# Altium PCB MODULE_4x100_RJ45_V1.0.PcbDoc (part 1 of 2) (continued)
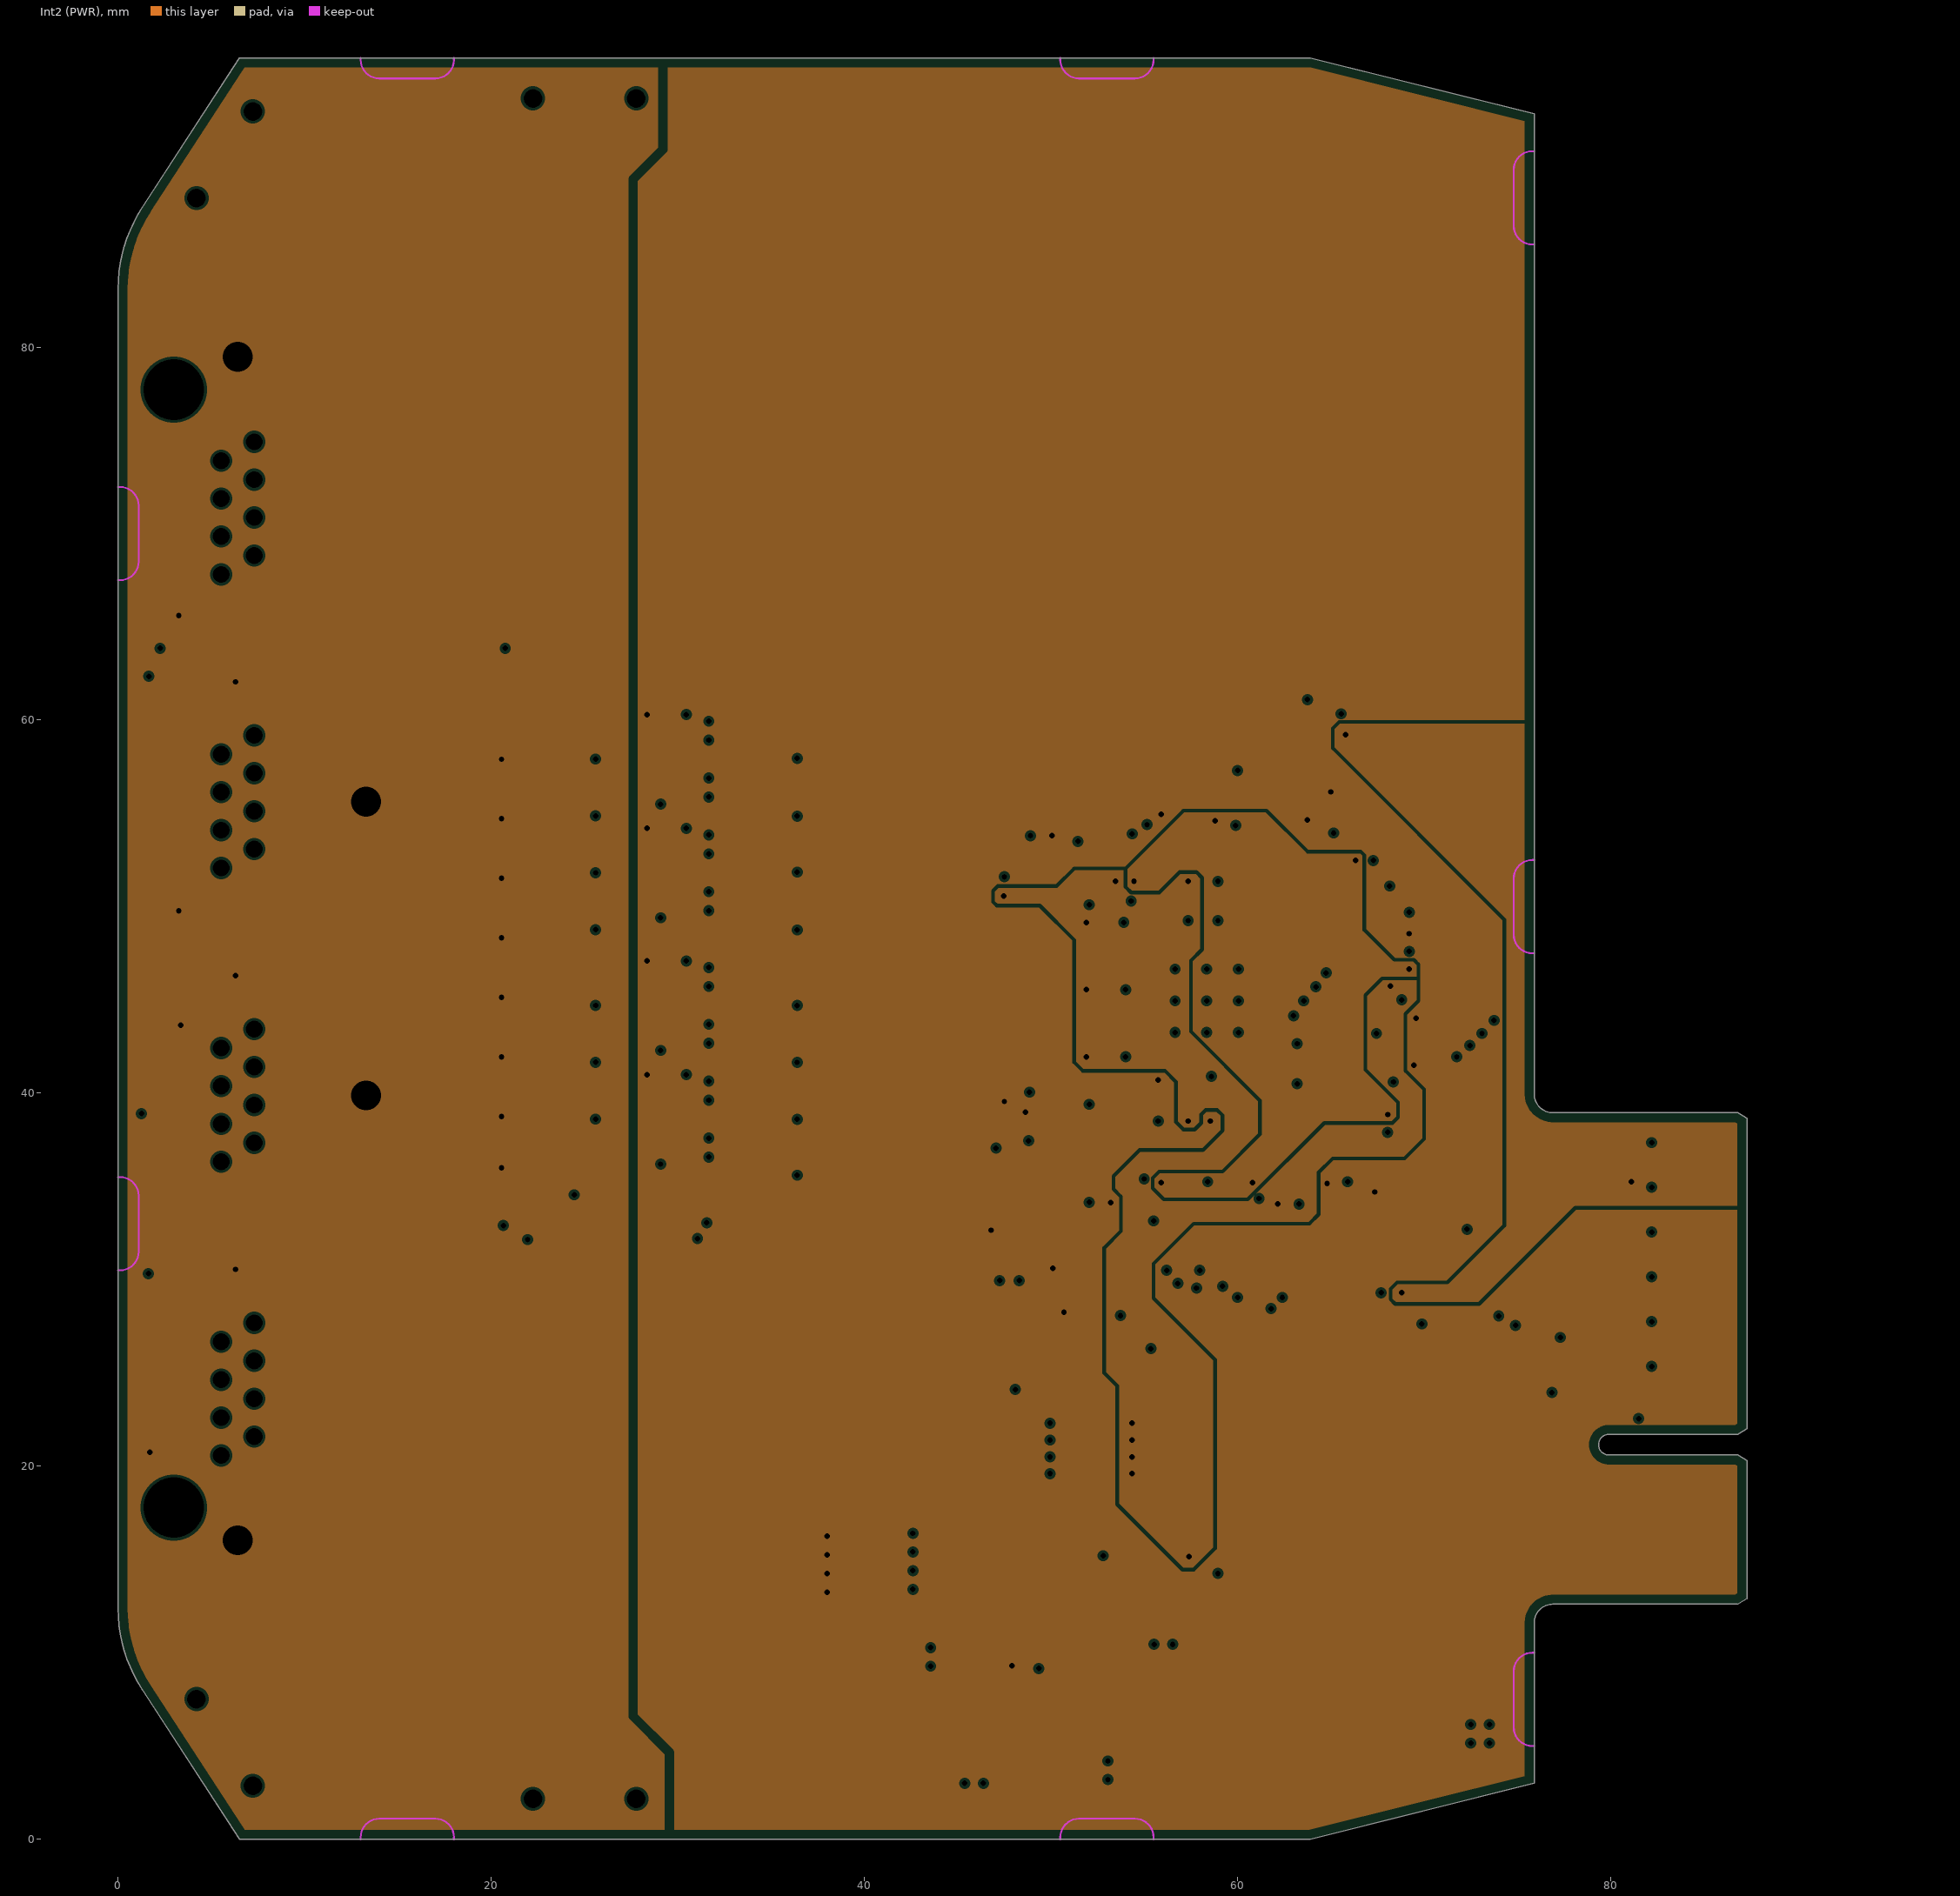
[diagram p3: Int2 (PWR), clearances drawn from the general rule]
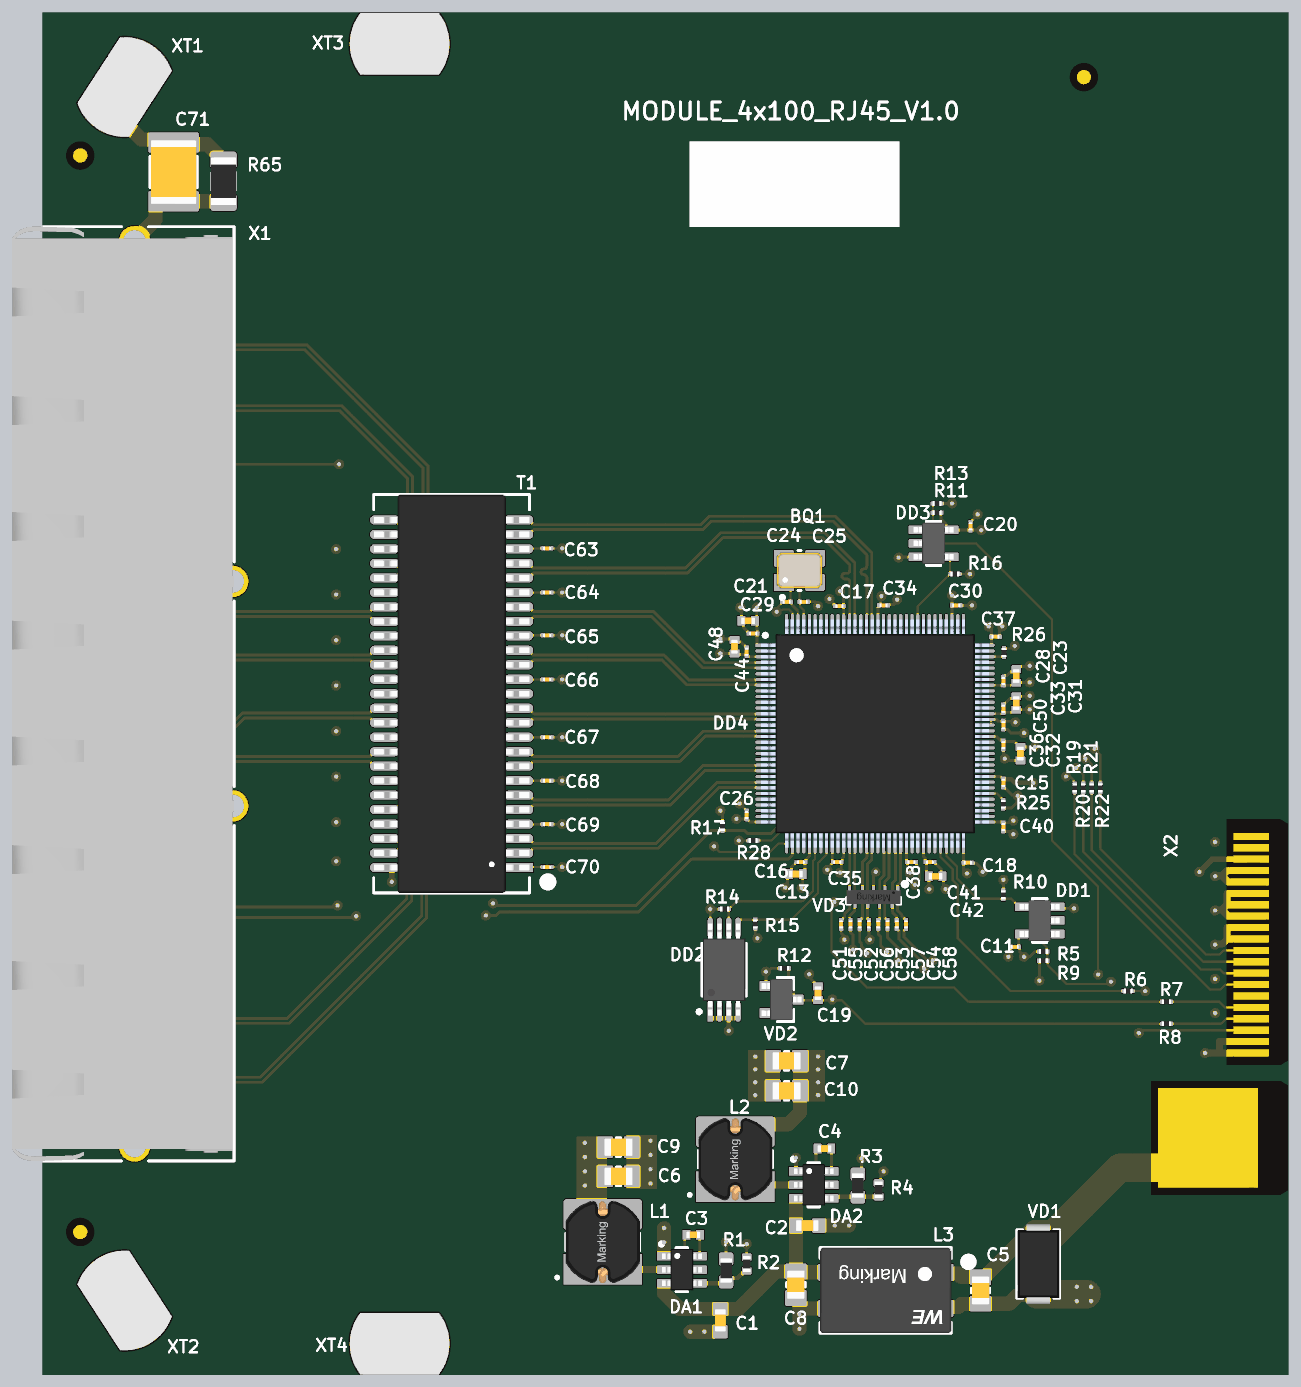
[diagram p5: 3D render of the assembled board from above, using the file's embedded part models]
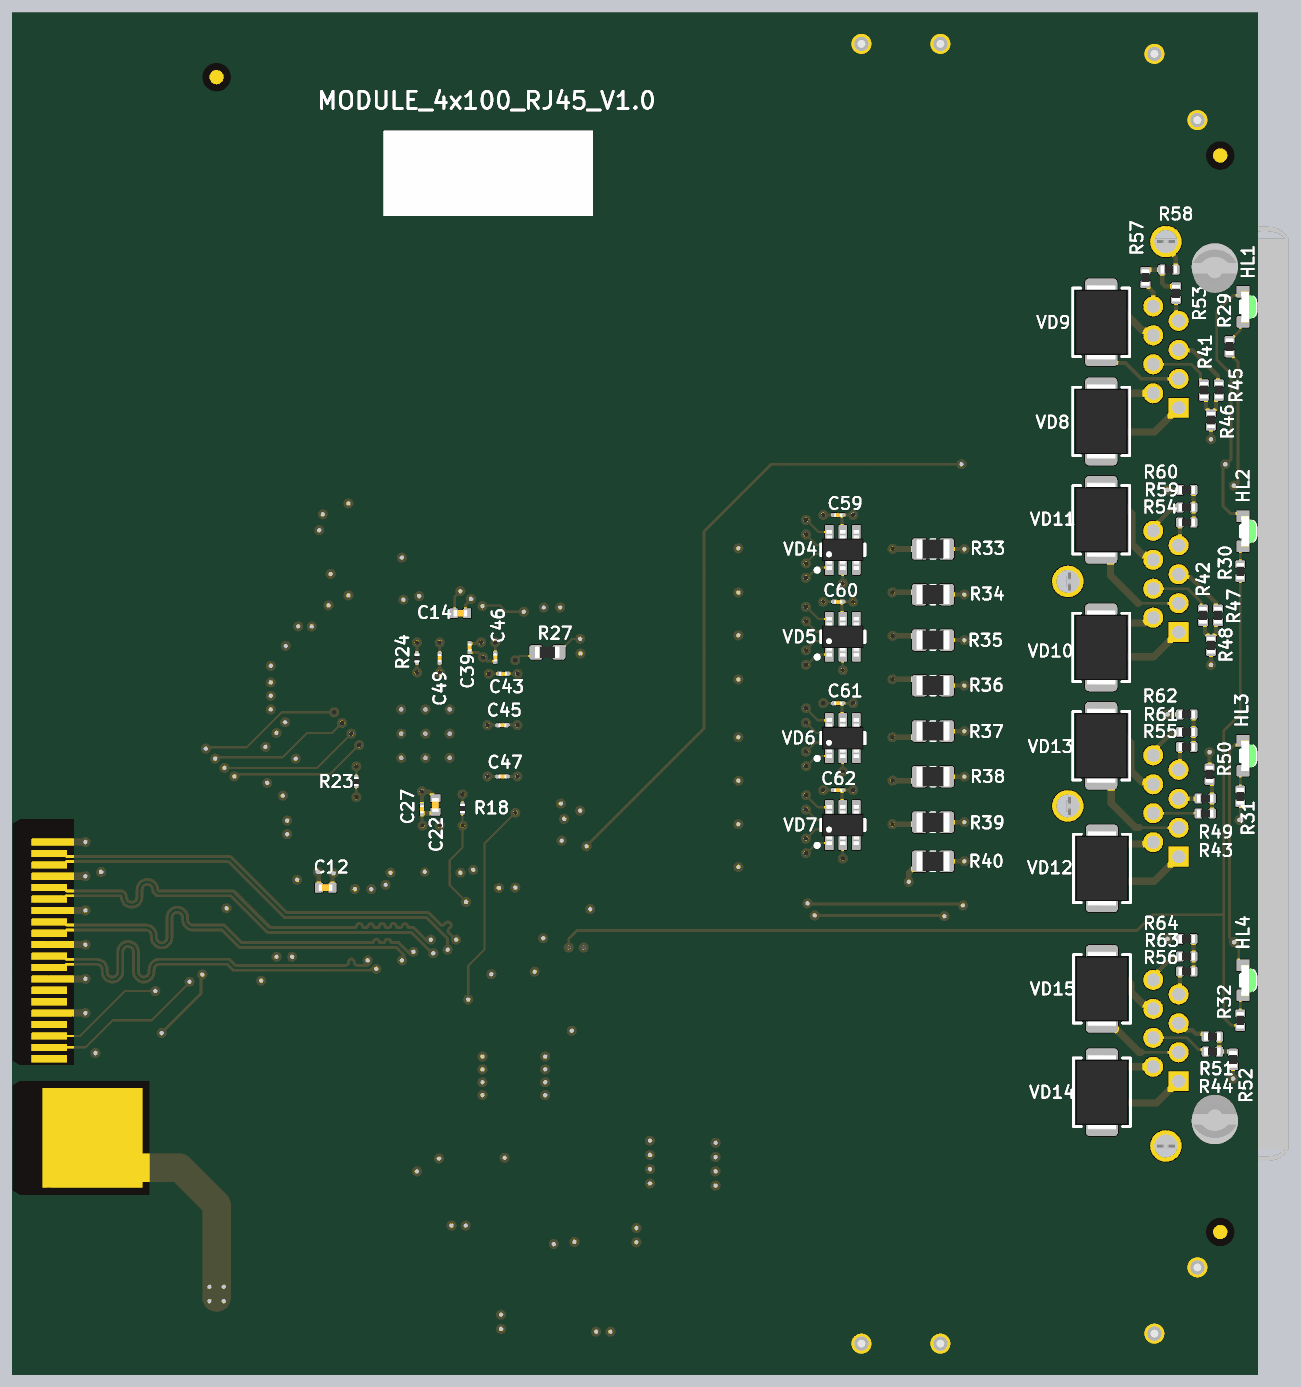
[diagram p6: 3D render of the assembled board from below, using the file's embedded part models]

## Layer stack, top to bottom
Top Solder: solder mask 0.0254, SM-001, Dk 4
Top Layer: signal copper 0.035
Dielectric 1: prepreg 0.1295, PP-017, Dk 4.3
Dielectric 2: prepreg 0.1295, PP-017, Dk 4.3
Int1 (GND): plane copper 0.035, net (Multiple Nets)
Dielectric 3: core 0.7112, Core-039, Dk 4.8
Int2 (PWR): plane copper 0.035, net (Multiple Nets)
Dielectric 4: prepreg 0.1295, PP-017, Dk 4.3
Dielectric 5: prepreg 0.1295, PP-017, Dk 4.3
Bottom Layer: signal copper 0.035
Bottom Solder: solder mask 0.0254, SM-001, Dk 4

## Board outline
6.5,0 1.291,8.022 cw(c8,12.379) 0,12.379 0,83.121 cw(c8,83.121) 1.291,87.478 6.5,95.5 63.9,95.5 75.9,92.5 75.9,39.95 ccw(c76.9,39.95) 76.9,38.95 86.8,38.95 87.3,38.65 87.3,22 86.8,21.7 79.9,21.7 ccw(c79.9,21.15) 79.9,20.6 86.8,20.6 87.3,20.3 87.3,12.9 86.8,12.6 76.9,12.6 ccw(c76.9,11.6) 75.9,11.6 75.9,3 63.9,0

## Design rules (kind name [scope] priority, off if disabled: settings)
BoardOutlineClearance BoardOutlineClearance_overlay [OnTopSilkscreen or OnBottomSilkscreen or IsKeepOut] p1: gap=0 ignorepadtopadclearanceinfootprint=FALSE
BoardOutlineClearance [All] p2: gap=0.5 ignorepadtopadclearanceinfootprint=FALSE except(0: Arc-SplitContinuation Track-SplitContinuation Poly-SplitContinuation Region-OutlineEdge Region-CavityEdge Region-CutoutEdge Region-SplitContinuation)
Clearance Clearance_Chassis [InNet('SHIELD')] p1: gap=0.5 ignorepadtopadclearanceinfootprint=FALSE
Clearance [All] p2: gap=0.1 ignorepadtopadclearanceinfootprint=FALSE
ComponentClearance [All] p1: gap=0.2 collisioncheckmode=3 verticalgap=0.2 showdistances=FALSE
DiffPairsRouting [All] p1: maxlimit=0.3 minlimit=0.1 mostfreqgap=0.149 toplayer_minwidth=0.1 toplayer_maxwidth=0.5 toplayer_prefwidth=0.199 bottomlayer_minwidth=0.1 bottomlayer_maxwidth=0.5 bottomlayer_prefwidth=0.199 maxuncoupledlength=12.7
HoleSize [All] p1: absolutevalues=TRUE maxlimit=20 minlimit=0.2 maxpercent=80.000 minpercent=20.000
HoleToHoleClearance [All] p1: gap=0.25 allowstackedmicrovias=TRUE
MatchedLengths MatchLengths_xSignals_X2_DD4 [InxSignalClass('xSignals_X2_DD4_MatchLengthsClass')] p1: tolerance=0.5 checknetsindiffpair=FALSE checkdiffpairvsdiffpair=TRUE checkxsignals=TRUE checkothers=TRUE
MinimumAnnularRing [All] p1: minimumring=0.2
MinimumSolderMaskSliver [All] p1: minsoldermaskwidth=0.06
PlaneClearance [All] p1: clearance=0.15
PlaneConnect [All] p1: pad.planeconnectstyle=Relief pad.reliefexpansion=0.2 pad.reliefentries=4 pad.reliefconductorwidth=0.4 pad.reliefairgap=0.25 via.planeconnectstyle=Direct via.reliefexpansion=0.5 via.reliefentries=4 via.reliefconductorwidth=0.25 via.reliefairgap=0.25
PolygonConnect [All] p1: thpad.connectstyle=Relief thpad.reliefconductorwidth=0.25 thpad.reliefentries=4 thpad.polygonreliefangle="90 Angle" thpad.airgapwidth=0.25 smdpad.connectstyle=Relief smdpad.reliefconductorwidth=0.25 smdpad.reliefentries=4 smdpad.polygonreliefangle="90 Angle" smdpad.airgapwidth=0.25 via.connectstyle=Direct via.reliefconductorwidth=0.25 via.reliefentries=4 via.polygonreliefangle="90 Angle" via.airgapwidth=0.25
RoutingCorners [All] p1: cornerstyle=45-Degree minsetback=2 maxsetback=2
RoutingVias [All] p1: holewidth=0.25 width=0.55 viastyle="Through Hole" minholewidth=0.2 minwidth=0.5 maxholewidth=2 maxwidth=5
SilkToSilkClearance [All] p1: silktosilkclearance=0.1
SilkToSolderMaskClearance [IsPad] p1: minsilkscreentomaskgap=0.05 clearancetoexposedcopper=TRUE
SolderMaskExpansion [All] p1: expansion=0.07 istentingtop=FALSE
Width [All] p1: maxlimit=20 minlimit=0.1 preferedwidth=0.15
20 further rules are at their usual default settings.

## Classes and differential pairs
differential pair PORT4_TXRX_D: +PORT4_TXRX_D_P -PORT4_TXRX_D_N
differential pair PORT4_TXRX_C: +PORT4_TXRX_C_P -PORT4_TXRX_C_N
differential pair PORT4_TXRX_B: +PORT4_TXRX_B_P -PORT4_TXRX_B_N
differential pair PORT4_TXRX_A: +PORT4_TXRX_A_P -PORT4_TXRX_A_N
differential pair PORT4_TD: +PORT4_TD_P -PORT4_TD_N
differential pair PORT4_RD: +PORT4_RD_P -PORT4_RD_N
differential pair PORT3_TX: +PORT3_TX_P -PORT3_TX_N
differential pair PORT3_TD: +PORT3_TD_P -PORT3_TD_N
differential pair PORT3_RX: +PORT3_RX_P -PORT3_RX_N
differential pair PORT3_RD: +PORT3_RD_P -PORT3_RD_N
differential pair PORT2_TX: +PORT2_TX_P -PORT2_TX_N
differential pair PORT2_TD: +PORT2_TD_P -PORT2_TD_N
differential pair PORT2_RX: +PORT2_RX_P -PORT2_RX_N
differential pair PORT2_RD: +PORT2_RD_P -PORT2_RD_N
differential pair PORT1_TX: +PORT1_TX_P -PORT1_TX_N
differential pair PORT1_TD: +PORT1_TD_P -PORT1_TD_N
differential pair PORT1_RX: +PORT1_RX_P -PORT1_RX_N
differential pair PORT1_RD: +PORT1_RD_P -PORT1_RD_N
differential pair PORT0_TX: +PORT0_TX_P -PORT0_TX_N
differential pair PORT0_RX: +PORT0_RX_P -PORT0_RX_N
differential pair 1G_TXRX_D: +1G_TXRX_D_P -1G_TXRX_D_N
differential pair 1G_TXRX_C: +1G_TXRX_C_P -1G_TXRX_C_N
differential pair 1G_TXRX_B: +1G_TXRX_B_P -1G_TXRX_B_N
differential pair 1G_TXRX_A: +1G_TXRX_A_P -1G_TXRX_A_N

## Components (designator, comment, footprint, x,y, rotation, side; value= is the part's Value field where it differs from the comment)
1 "Comment" Fiducial 2.6,85.5 r0 top locked
2 "Comment" Fiducial 73,91 r0 top locked
3 "Comment" Fiducial 73,91 r180 bottom locked
4 "Comment" Fiducial 2.6,85.5 r180 bottom locked
5 "Comment" Fiducial 2.6,10 r180 bottom locked
BQ1 "25 MHz" "3225 Crystal" 53.05,56.4 r0 top
C1 "10 мкФ" CAP0603(1608x08)N 47.5,3.8 r270 top
C2 "10 мкФ" CAP0603(1608x08)N 53.6,10.45 r0 top
C3 "0,1 мкФ" CAP0402(1005x05)N 45.6,9.8 r0 top
C4 "0,1 мкФ" CAP0402(1005x05)N 54.8,15.85 r0 top
C5 "0,1 мкФ" CAP0805(2012x125)N 65.75,5.9 r90 top
C6 "22 мкФ" CAP0805(2012x125)N 40.35,13.9 r0 top
C7 "22 мкФ" CAP0805(2012x125)N 52.15,22 r180 top
C8 "0,1 мкФ" CAP0805(2012x125)N 52.8,6.3 r90 top
C9 "22 мкФ" CAP0805(2012x125)N 40.35,15.95 r0 top
C10 "22 мкФ" CAP0805(2012x125)N 52.15,19.9 r180 top
C11 "0,1 мкФ" CAP0201(0603x03)N 68.15,30 r180 top
C12 "10 мкФ" CAP0402(1005x05)N 65.35,34.15 r180 bottom
C13 "10 мкФ" CAP0402(1005x05)N 52.8,35.1 r180 top
C14 "10 мкФ" CAP0402(1005x05)N 55.9,53.4 r0 bottom
C15 "0,1 мкФ" CAP0201(0603x03)N 67.35,41.5 r90 top
C16 "0,1 мкФ" CAP0201(0603x03)N 53.15,35.95 r180 top
C17 "0,1 мкФ" CAP0201(0603x03)N 55.85,53.9 r0 top
C18 "0,1 мкФ" CAP0201(0603x03)N 64.86,35.9 r180 top
C19 "470 пФ" CAP0402(1005x05)N 54.35,26.75 r270 top value="470 пФ 0402"
C20 "0,1 мкФ" CAP0201(0603x03)N 65.05,59.5 r90 top
C21 "10 мкФ" CAP0402(1005x05)N 49.45,52.87 r180 top
C22 "10 мкФ" CAP0402(1005x05)N 57.65,39.95 r270 bottom
C23 "10 мкФ" CAP0402(1005x05)N 68.25,49 r270 top
C24 "22 пФ" CAP0201(0603x03)N 52.15,54.2 r0 top
C25 "22 пФ" CAP0201(0603x03)N 53.35,54.2 r180 top
C26 "0,1 мкФ" CAP0201(0603x03)N 49.35,39.25 r90 top
C27 "0,1 мкФ" CAP0201(0603x03)N 58.6,39.65 r270 bottom
C28 "0,1 мкФ" CAP0201(0603x03)N 67.35,48.65 r270 top
C29 "0,1 мкФ" CAP0201(0603x03)N 49.8,51.97 r180 top
C30 "0,1 мкФ" CAP0201(0603x03)N 64.05,53.95 r180 top
C31 "10 мкФ" CAP0402(1005x05)N 68.25,47.1 r270 top
C32 "10 мкФ" CAP0402(1005x05)N 68.55,43.55 r270 top
C33 "0,1 мкФ" CAP0201(0603x03)N 67.35,46.7 r270 top
C34 "0,1 мкФ" CAP0201(0603x03)N 58.95,53.95 r180 top
C35 "0,1 мкФ" CAP0201(0603x03)N 55.7,35.95 r180 top
C36 "0,1 мкФ" CAP0201(0603x03)N 67.35,44.15 r270 top
C37 "0,1 мкФ" CAP0201(0603x03)N 66.8,51.75 r180 top
C38 "0,1 мкФ" CAP0201(0603x03)N 60.9,35.95 r0 top
C39 "0,1 мкФ" CAP0201(0603x03)N 55.25,51 r90 bottom
C40 "0,1 мкФ" CAP0201(0603x03)N 67.35,38.4 r270 top
C41 "0,1 мкФ" CAP0201(0603x03)N 62.2,35.95 r180 top
C42 "10 мкФ" CAP0402(1005x05)N 62.6,34.95 r180 top
C43 "0,1 мкФ" CAP0201(0603x03)N 52.9,49.15 r180 bottom
C44 "0,1 мкФ" CAP0201(0603x03)N 49.35,50.7 r270 top
C45 "0,1 мкФ" CAP0201(0603x03)N 52.95,45.55 r180 bottom
C46 "0,1 мкФ" CAP0201(0603x03)N 53.45,50.3 r90 bottom
C47 "0,1 мкФ" CAP0201(0603x03)N 52.95,41.95 r180 bottom
C48 "10 мкФ" CAP0402(1005x05)N 48.5,51.05 r270 top
C49 "0,1 мкФ" CAP0201(0603x03)N 57.35,50.25 r90 bottom
C50 "0,1 мкФ" CAP0201(0603x03)N 67.35,45.55 r90 top
C51 "0,1 мкФ" CAP0201(0603x03)N 55.975,31.575 r270 top
C52 "0,1 мкФ" CAP0201(0603x03)N 57.275,31.575 r270 top
C53 "0,1 мкФ" CAP0201(0603x03)N 58.575,31.575 r270 top
C54 "0,1 мкФ" CAP0201(0603x03)N 59.875,31.575 r270 top
C55 "0,1 мкФ" CAP0201(0603x03)N 56.625,31.575 r270 top
C56 "0,1 мкФ" CAP0201(0603x03)N 57.925,31.575 r270 top
C57 "0,1 мкФ" CAP0201(0603x03)N 59.225,31.575 r270 top
C58 "0,1 мкФ" CAP0201(0603x03)N 60.525,31.575 r270 top
C59 "0,1 мкФ" CAP0201(0603x03)N 29.4,60.296 r0 bottom
C60 "0,1 мкФ" CAP0201(0603x03)N 29.4,54.2 r0 bottom
C61 "0,1 мкФ" CAP0201(0603x03)N 29.4,47.088 r0 bottom
C62 "0,1 мкФ" CAP0201(0603x03)N 29.4,40.992 r0 bottom
C63 "0,1 мкФ" CAP0201(0603x03)N 35.35,57.95 r0 top
C64 "0,1 мкФ" CAP0201(0603x03)N 35.35,54.85 r0 top
C65 "0,1 мкФ" CAP0201(0603x03)N 35.35,51.85 r0 top
C66 "0,1 мкФ" CAP0201(0603x03)N 35.35,48.75 r0 top
C67 "0,1 мкФ" CAP0201(0603x03)N 35.35,44.7 r0 top
C68 "0,1 мкФ" CAP0201(0603x03)N 35.35,41.65 r0 top
C69 "0,1 мкФ" CAP0201(0603x03)N 35.35,38.6 r0 top
C70 "0,1 мкФ" CAP0201(0603x03)N 35.35,35.6 r0 top
C71 "2200 пФ 4 кВ" CAP1812(4532x25)N 9.15,84.35 r90 top locked
DA1 "TPS563209DDC" SOT23-6 44.8,7.35 r0 top
DA2 "TPS563209DDC" SOT23-6 54.05,13.3 r0 top
DD1 "SN74LVC1G07DBV" SOT23-5 69.9,31.85 r180 top
DD2 "M24C64-WDW" TSSOP-8 47.765,28.396 r90 top
DD3 "SN74LVC1G07DBV" SOT23-5 62.46,58.3 r0 top
DD4 "88E6240" TQFP-128-0,4e_5,89x5,31mm-EP 58.35,44.95 r0 top locked
HL1 "KPA-2106CGCK (зелёный)" 2110x0,6-SMD-LED-GN 1,74.887 r270 bottom locked
HL2 "KPA-2106CGCK (зелёный)" 2110x0,6-SMD-LED-GN 1,59.147 r270 bottom locked
HL3 "KPA-2106CGCK (зелёный)" 2110x0,6-SMD-LED-GN 1,43.397 r270 bottom locked
HL4 "KPA-2106CGCK (зелёный)" 2110x0,6-SMD-LED-GN 1,27.647 r270 bottom locked
L1 "3,3 мкГн" WE-PD2-5848 39.25,9.3 r90 top
L2 "3,3 мкГн" WE-PD2-5848 48.55,15.1 r90 top
L3 "WE-SL2 744226" WE-SL2 59.1,5.9 r180 top
R1 "33К2 1%" RES0603N 47.9,7.3 r90 top
R2 "10К 1%" RES0402N 49.35,7.75 r90 top
R3 "13К7 1%" RES0603N 57.15,13.25 r90 top
R4 "10К 1%" RES0402N 58.6,12.95 r90 top
R5 "1K" RES0201N 70.15,29.67 r180 top
R6 "10" RES0201N 76.1,26.9 r0 top
R7 "10" RES0201N 78.8,26.15 r0 top
R8 "10" RES0201N 78.8,24.6 r0 top
R9 "1K" RES0201N 70.15,29.02 r180 top
R10 "1K" RES0201N 67.35,33.65 r90 top
R11 "1K" RES0201N 62.7,60.45 r0 top
R12 "1K" RES0201N 52,28.5 r180 top
R13 "1K" RES0201N 62.7,61.1 r0 top
R14 "4К7" RES0201N 47.8,32.65 r180 top
R15 "4К7" RES0201N 49.95,31.6 r270 top
R16 "1K" RES0201N 63.95,56.15 r0 top
R17 "4К7" RES0201N 47.65,38.45 r270 top
R18 "4К7" RES0201N 55.75,39.7 r90 bottom
R19 "2K2" RES0201N 72.35,41.15 r90 top
R20 "2K2" RES0201N 72.95,41.15 r90 top
R21 "2K2" RES0201N 73.55,41.15 r90 top
R22 "4x2K2" RES0201N 74.15,41.15 r90 top
R23 "10" RES0201N 63.2,41.6 r270 bottom
R24 "10" RES0201N 58.95,50.25 r270 bottom
R25 "4К7" RES0201N 67.35,40 r90 top
R26 "4К7" RES0201N 67.4,50.65 r270 top
R27 "4К99 1%" RES0603N 49.8,50.65 r0 bottom
R28 "4К7" RES0201N 49.8,37.45 r180 top
R29 "330" RES0402N 1.95,72.1 r90 bottom
R30 "330" RES0402N 1.2,56.35 r90 bottom
R31 "330" RES0402N 1.2,40.55 r90 bottom
R32 "330" RES0402N 1.2,24.85 r90 bottom
R33 "75 Ом" RES0805N 22.75,57.9 r180 bottom
R34 "75 Ом" RES0805N 22.75,54.707 r180 bottom
R35 "75 Ом" RES0805N 22.75,51.514 r180 bottom
R36 "75 Ом" RES0805N 22.75,48.321 r180 bottom
R37 "75 Ом" RES0805N 22.75,45.129 r180 bottom
R38 "75 Ом" RES0805N 22.75,41.936 r180 bottom
R39 "75 Ом" RES0805N 22.75,38.743 r180 bottom
R40 "75 Ом" RES0805N 22.75,36 r180 bottom
R41 "49,9 Ом 1%" RES0402N 3.75,69.05 r90 bottom
R42 "49,9 Ом 1%" RES0402N 3.8,53.25 r90 bottom
R43 "49,9 Ом 1%" RES0402N 3.65,39.35 r0 bottom
R44 "49,9 Ом 1%" RES0402N 3.15,22.65 r0 bottom
R45 "49,9 Ом 1%" RES0402N 2.7,69.05 r90 bottom
R46 "49,9 Ом 1%" RES0402N 3.25,66.95 r90 bottom
R47 "49,9 Ом 1%" RES0402N 2.75,53.25 r90 bottom
R48 "49,9 Ом 1%" RES0402N 3.25,51.15 r90 bottom
R49 "49,9 Ом 1%" RES0402N 3.65,40.4 r0 bottom
R50 "49,9 Ом 1%" RES0402N 3.35,42.1 r270 bottom
R51 "49,9 Ом 1%" RES0402N 3.15,23.7 r0 bottom
R52 "49,9 Ом 1%" RES0402N 1.7,22.1 r90 bottom
R53 "49,9 Ом 1%" RES0402N 5.7,75.85 r270 bottom
R54 "49,9 Ом 1%" RES0402N 4.95,59.765 r0 bottom
R55 "49,9 Ом 1%" RES0402N 4.95,44.015 r0 bottom
R56 "49,9 Ом 1%" RES0402N 4.95,28.265 r0 bottom
R57 "49,9 Ом 1%" RES0402N 7.85,76.95 r270 bottom
R58 "49,9 Ом 1%" RES0402N 6.2,77.5 r0 bottom
R59 "49,9 Ом 1%" RES0402N 4.95,60.815 r0 bottom
R60 "49,9 Ом 1%" RES0402N 4.95,62.05 r180 bottom